# Altium PCB Bran_Main_Assay_PCB_v2.PcbDoc (part 8 of 15)
Units mil, origin at the board's own origin, x right, y up, seen from the top; angles counter-clockwise.
Board outline 3608.46 x 1899.79 mil, 6 copper layers (TOP, GND1, Singal, POWER, GND2, BOTTOM), stack 31.508 mil thick; 363 components, 288 nets, 1386 pads, 975 vias.
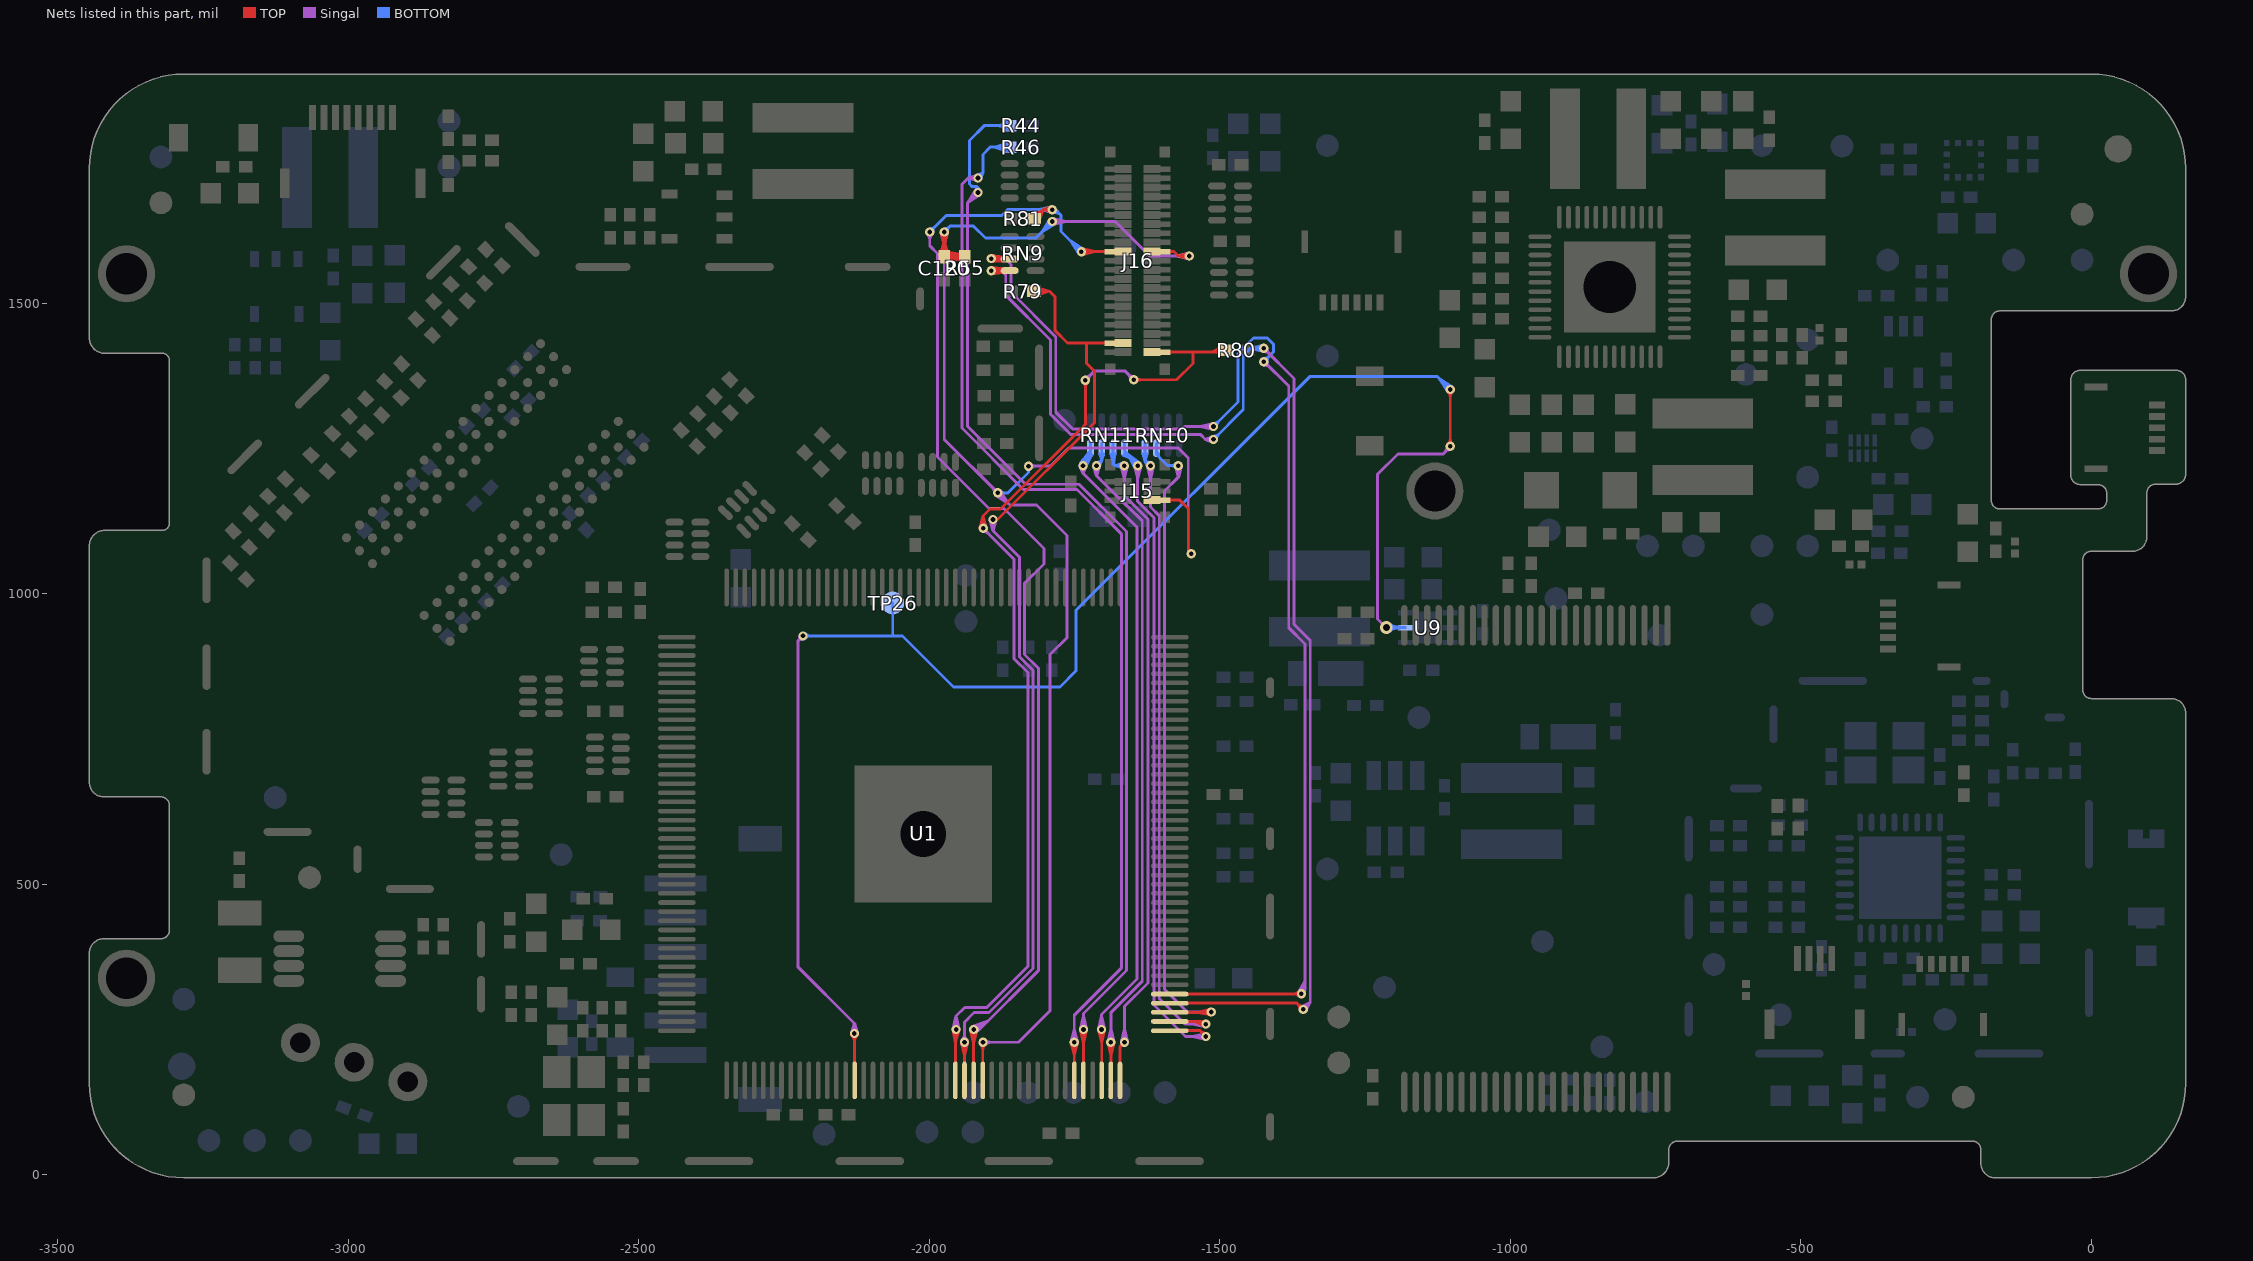
[diagram p12: the nets of this part, all layers, seen from the top]

## Via types
v1: diameter 16, hole 8, TOP to BOTTOM, tented both sides, 431 vias
v2: diameter 18, hole 10, TOP to BOTTOM, tented both sides, 257 vias
v3: diameter 22, hole 12, TOP to BOTTOM, tented both sides, 194 vias
v4: diameter 30, hole 18, TOP to BOTTOM, tented both sides, 69 vias
v5: diameter 24, hole 13, TOP to BOTTOM, tented both sides, 11 vias
v6: diameter 19.68, hole 7.87, TOP to BOTTOM, 9 vias
v7: diameter 22, hole 2, TOP to BOTTOM, tented both sides, 2 vias
v8: diameter 17.99, hole 10, TOP to BOTTOM, tented both sides, 1 vias
v9: diameter 20, hole 10, TOP to BOTTOM, tented both sides, 1 vias

## Nets (pads, with @x,y where several pads share a name; then routed paths per layer and width w, separated by ;. In a path a pad name is that pad's centre, name@x,y a point inside that pad or via, vN(x,y) a via of type N, cw(c..) or ccw(c..) an arc to the next point about the centre after c; other vN are vias at no path point) (continued)
LCD-D14: RN9.3 U1.137 | length 3307.7
  TOP w5: v1@-1893.91,1571.75 RN9.3@-1871.49,1572.67 ; v1@-1893.46,1578 -1893.08,1577.62 v1@-1891.62,1576.16 ; v1@-1893.38,1582.73 RN9.3@-1871.49,1579.65 ; v1@-1892.55,1571.81 -1885.27,1575.83 ; v1@-1892.38,1571.84 -1881.98,1576.74 ; v1@-1892.19,1571.89 RN9.3@-1871.49,1579.65 ; v1@-1891.92,1582.51 -1881.98,1576.74 ; v1@-1891.69,1582.44 RN9.3@-1871.49,1572.67 ; v1@-1890.8,1582.04 -1885.27,1575.83 ; v1@-1889.58,1573.35 cw(c-1882.78,1566.55) -1882.78,1576.16 ; v1@-1889.58,1581.12 ccw(c-1877.59,1593.11) -1877.59,1576.16 ; RN9.3@-1873.67,1573.69 ccw(c-1879.64,1567.71) -1879.64,1576.16 ccw(c-1879.64,1584.61) RN9.3@-1873.67,1578.63 ; RN9.3@-1872.32,1572.85 -1877.46,1576.45 ; RN9.3@-1872.32,1579.47 -1877.46,1575.87 ; RN9.3@-1872.02,1572.76 -1877.46,1575.87 ; RN9.3@-1872.02,1579.56 -1877.46,1576.45 ; RN9.3@-1861.69,1576.16 v1@-1891.62,1576.16 ; U1.137@-1586.22,311.33 -1360.14,311.33 v1(-1359.65,311.83) ; U1.137@-1557.67,311.33 -1538.74,311.33 ; -1374.12,311.33 ccw(c-1374.12,326.3) v1@-1363.53,315.72 ; -1371.73,311.33 cw(c-1371.73,299.74) v1@-1363.53,307.94 ; v1@-1361.81,316.88 -1368.73,310.94 ; v1@-1361.08,306.52 -1370.24,311.84 ; v1@-1361.07,317.14 -1370.24,311.84 ; v1@-1360.78,306.45 -1368.73,310.94 ; v1(-1893.46,1577.24) RN9.3@-1871.19,1576.16 ; v1(-1893.46,1577.24) RN9.3@-1871.49,1579.65 ; v1(-1893.46,1577.24) RN9.3@-1871.49,1572.67 ; v1(-1893.46,1577.24) RN9.3@-1870.41,1576.16 ; v1(-1893.46,1577.24) -1881.98,1576.74 ; v1(-1893.46,1577.24) -1885.27,1575.83 ; v1@-1891.62,1576.16 RN9.3@-1871.19,1576.16 ; v1@-1891.62,1576.16 RN9.3@-1871.49,1579.65 ; v1@-1891.62,1576.16 RN9.3@-1871.49,1572.67 ; -1877.46,1575.87 RN9.3@-1871.19,1576.16 ; -1877.46,1576.45 RN9.3@-1871.19,1576.16 ; RN9.3@-1871.19,1576.16 -1893.05,1571.75 RN9.3@-1870.41,1576.16 ; RN9.3@-1871.19,1576.16 -1892.52,1582.65 RN9.3@-1870.41,1576.16 ; -1370.24,311.84 v1(-1359.65,311.83) ; -1368.73,310.94 v1(-1359.65,311.83)
  Singal w5: v1@-1893.46,1578 -1870.46,1578 ; v1@-1892.99,1582.71 -1870.46,1578 ; v1@-1892.63,1571.8 -1870.46,1578 ; v1@-1892.42,1582.64 -1884.79,1578.36 ; v1@-1892.2,1582.59 -1882.45,1577.46 ; v1@-1891.98,1571.94 -1882.45,1577.46 ; v1@-1891.08,1572.28 -1884.79,1578.36 ; v1@-1889.58,1573.35 cw(c-1878.34,1562.11) -1878.34,1578 ; v1@-1889.58,1581.12 ccw(c-1882.03,1588.67) -1882.03,1578 ; v1@-1514.83,1284.3 ccw(c-1524.22,1274.91) -1524.22,1288.19 ccw(c-1524.22,1301.47) v1@-1514.83,1292.08 ; v1@-1512.72,1282.99 -1520.79,1288.64 ; v1@-1512.72,1293.4 -1520.79,1287.74 ; v1@-1512.24,1282.85 -1520.79,1287.74 ; v1@-1512.24,1293.54 -1520.79,1288.64 ; v1@-1511.6,1282.73 -1533.94,1288.19 ; v1@-1511.6,1293.65 -1533.94,1288.19 ; v1@-1424.45,1394.24 cw(c-1424.45,1378.55) -1413.35,1389.64 ; v1@-1423.45,1399.74 -1381.45,1357.74 -1381.45,941.91 -1353.45,913.91 -1353.45,318.02 v1(-1359.65,311.83) ; v1@-1418.95,1399.74 ccw(c-1408.08,1399.74) -1415.77,1392.06 ; v1@-1364.73,313.93 -1354.62,331.15 ; v1@-1363.78,315.45 -1354.21,322.21 ; v1@-1363.53,315.72 ccw(c-1387.88,340.07) -1353.45,340.07 ; v1@-1360,312.18 ccw(c-1375.81,327.99) -1353.45,327.99 ; v1@-1354.31,310.49 -1354.21,322.21 ; v1@-1354.18,311.19 -1354.62,331.15 ; v1(-1893.46,1577.24) -1870.46,1578 ; v1(-1893.46,1577.24) -1882.45,1577.46 ; v1(-1893.46,1577.24) -1884.79,1578.36 ; -1870.46,1578 -1859.46,1567 -1859.46,1519.48 -1782.46,1442.48 -1782.46,1312.84 -1753.36,1283.74 -1564.94,1283.74 -1560.49,1288.19 v1(-1510.94,1288.19) ; -1533.94,1288.19 v1(-1510.94,1288.19) ; -1520.79,1287.74 v1(-1510.94,1288.19) ; -1520.79,1288.64 v1(-1510.94,1288.19) ; v1(-1359.65,311.83) -1354.21,322.21 ; v1(-1359.65,311.83) -1354.62,331.15
  BOTTOM w5: v1(-1510.94,1288.19) -1468.67,1330.46 -1468.67,1414.01 -1441.94,1440.74 -1418.36,1440.74 -1407.45,1429.83 -1407.45,1416.74 v1(-1424.45,1399.74) ; v1@-1510.94,1293.69 ccw(c-1510.94,1306.97) -1501.56,1297.58 ccw(c-1492.17,1288.19) v1@-1505.44,1288.19 ; v1@-1424.45,1405.24 ccw(c-1424.45,1418.52) -1415.06,1409.13 ccw(c-1405.67,1399.74) v1@-1418.95,1399.74
LCD-D15: RN9.4 U1.136 | length 3248
  TOP w5: v1@-1893.65,1550.97 RN9.4@-1871.49,1552.98 ; v1@-1893.65,1561.97 RN9.4@-1871.49,1559.96 ; v1@-1892.99,1556.47 RN9.4@-1861.69,1556.47 ; v1@-1892.17,1551.12 -1883.62,1556.02 ; v1@-1892.17,1561.82 -1883.62,1556.92 ; v1@-1891.94,1551.19 RN9.4@-1871.49,1559.96 ; v1@-1891.94,1561.75 RN9.4@-1871.49,1552.98 ; v1@-1891.69,1551.26 -1883.62,1556.92 ; v1@-1891.69,1561.68 -1883.62,1556.02 ; v1@-1889.58,1552.58 cw(c-1880.19,1543.19) -1880.19,1556.47 cw(c-1880.19,1569.75) v1@-1889.58,1560.36 ; RN9.4@-1873.67,1554 ccw(c-1879.64,1548.02) -1879.64,1556.47 ccw(c-1879.64,1564.92) RN9.4@-1873.67,1558.94 ; RN9.4@-1872.32,1553.16 -1877.46,1556.76 ; RN9.4@-1872.32,1559.78 -1877.46,1556.18 ; RN9.4@-1872.02,1553.07 -1877.46,1556.18 ; RN9.4@-1872.02,1559.87 -1877.46,1556.76 ; U1.136@-1586.22,295.58 -1367.4,295.58 v1(-1356.65,284.83) ; U1.136@-1557.67,295.58 -1538.74,295.58 ; v1@-1362.15,284.83 ccw(c-1375.42,284.83) -1366.03,294.22 ccw(c-1356.65,303.61) v1@-1356.65,290.33 ; v1(-1893.46,1556.47) RN9.4@-1871.19,1556.47 ; v1(-1893.46,1556.47) RN9.4@-1871.49,1559.96 ; v1(-1893.46,1556.47) RN9.4@-1871.49,1552.98 ; v1(-1893.46,1556.47) RN9.4@-1870.46,1556.47 ; v1(-1893.46,1556.47) -1883.62,1556.92 ; v1(-1893.46,1556.47) -1883.62,1556.02 ; v1@-1892.19,1556.47 RN9.4@-1871.19,1556.47 ; v1@-1892.19,1556.47 RN9.4@-1871.49,1559.96 ; v1@-1892.19,1556.47 RN9.4@-1871.49,1552.98 ; -1877.46,1556.18 RN9.4@-1871.19,1556.47 ; -1877.46,1556.76 RN9.4@-1871.19,1556.47 ; RN9.4@-1871.19,1556.47 -1892.79,1551.01 RN9.4@-1870.46,1556.47 ; RN9.4@-1871.19,1556.47 -1892.79,1561.93 RN9.4@-1870.46,1556.47
  Singal w5: v1@-1892.99,1556.47 -1875.93,1556.47 ; v1@-1892.6,1551.04 -1875.93,1556.47 ; v1@-1892.6,1561.9 -1875.93,1556.47 ; v1@-1892.17,1551.12 -1883.62,1556.02 ; v1@-1892.17,1561.82 -1883.62,1556.92 ; v1@-1891.69,1551.26 -1883.62,1556.92 ; v1@-1891.69,1561.68 -1883.62,1556.02 ; v1@-1889.58,1552.58 cw(c-1880.19,1543.19) -1880.19,1556.47 cw(c-1880.19,1569.75) v1@-1889.58,1560.36 ; v1@-1514.83,1262.1 ccw(c-1524.22,1252.71) -1524.22,1265.99 ccw(c-1524.22,1279.27) v1@-1514.83,1269.88 ; v1@-1512.72,1260.79 -1520.79,1266.44 ; v1@-1512.72,1271.2 -1520.79,1265.54 ; v1@-1512.24,1260.65 -1520.79,1265.54 ; v1@-1512.24,1271.34 -1520.79,1266.44 ; v1@-1512.03,1260.6 -1524.94,1265.99 ; v1@-1512.03,1271.38 -1524.94,1265.99 ; v1@-1424.45,1417.24 cw(c-1424.45,1403.96) -1415.06,1413.35 cw(c-1405.67,1422.74) v1@-1418.95,1422.74 ; v1(-1424.45,1422.74) -1372.45,1370.74 -1372.45,947.98 -1344.45,919.98 -1344.45,297.02 ; v1@-1359.87,289.29 -1344.45,297.02 ; v1(-1356.65,284.83) -1344.45,297.02 ; v1@-1356.65,290.33 ccw(c-1356.65,303.61) -1347.26,294.22 ccw(c-1337.87,284.83) v1@-1351.15,284.83 ; v1@-1352.19,281.61 -1344.45,297.02 ; v1(-1893.46,1556.47) -1883.62,1556.92 ; v1(-1893.46,1556.47) -1883.62,1556.02 ; v1(-1893.46,1556.47) -1875.93,1556.47 ; -1875.93,1556.47 -1868.46,1549 -1868.46,1514 -1791.46,1437 -1791.46,1309.12 -1757.09,1274.74 -1533.69,1274.74 -1524.94,1265.99 ; -1524.94,1265.99 v1(-1510.94,1265.99) ; -1524.94,1265.99 v1(-1510.94,1265.99) ; -1520.79,1265.54 v1(-1510.94,1265.99) ; -1520.79,1266.44 v1(-1510.94,1265.99)
  BOTTOM w5: v1(-1510.94,1265.99) -1459.67,1317.26 -1459.67,1410.28 -1447.22,1422.74 ; v1@-1510.94,1271.49 ccw(c-1510.94,1284.77) -1501.56,1275.38 ccw(c-1492.17,1265.99) v1@-1505.44,1265.99 ; v1@-1428.34,1418.85 ccw(c-1437.73,1409.46) -1437.73,1422.74 ccw(c-1437.73,1436.02) v1@-1428.34,1426.63 ; v1@-1426.22,1417.53 -1434.29,1423.19 ; v1@-1426.22,1427.95 -1434.29,1422.29 ; v1@-1425.74,1417.39 -1434.29,1422.29 ; v1@-1425.74,1428.09 -1434.29,1423.19 ; v1@-1425.11,1417.28 -1447.22,1422.74 ; v1@-1425.11,1428.2 -1447.22,1422.74 ; -1447.22,1422.74 v1(-1424.45,1422.74) ; -1447.22,1422.74 v1(-1424.45,1422.74) ; -1434.29,1422.29 v1(-1424.45,1422.74) ; -1434.29,1423.19 v1(-1424.45,1422.74)
LCD-D18: RN10.3 U1.135 | length 1562.4
  TOP w5: U1.135@-1586.22,279.83 -1515.64,279.83 v1(-1515.02,280.46) ; U1.135@-1557.67,279.83 -1538.74,279.83 ; -1529.8,279.83 ccw(c-1529.8,295.24) v1@-1518.9,284.35 ; -1526.79,279.83 cw(c-1526.79,268.69) v1@-1518.9,276.57 ; v1@-1517.28,285.47 -1523.9,279.45 ; v1@-1516.47,285.76 -1525.81,280.36 ; v1@-1516.37,275.13 -1525.81,280.36 ; v1@-1516.11,275.07 -1523.9,279.45 ; v1@-1515.82,285.9 -1538.04,279.83 ; v1@-1515.52,274.98 -1538.04,279.83 ; -1538.04,279.83 v1(-1515.02,280.46) ; -1525.81,280.36 v1(-1515.02,280.46) ; -1523.9,279.45 v1(-1515.02,280.46)
  Singal w5: v1@-1576.9,1220.07 -1571.45,1200.83 ; v1@-1576.8,1219.54 -1571.9,1210.99 ; v1@-1576.65,1219.05 -1571,1210.99 ; v1@-1575.34,1216.94 cw(c-1584.73,1207.55) -1571.45,1207.55 cw(c-1558.17,1207.55) v1@-1567.56,1216.94 ; v1@-1566.24,1219.05 -1571.9,1210.99 ; v1@-1566.1,1219.54 -1571,1210.99 ; v1@-1566,1220.07 -1571.45,1200.83 ; v1@-1518.9,276.57 ccw(c-1528.29,267.18) -1528.29,280.46 ccw(c-1528.29,293.73) v1@-1518.9,284.35 ; v1@-1516.79,285.66 -1524.86,280 ; v1@-1516.31,275.11 -1524.86,280 ; -1571.9,1210.99 v1(-1571.45,1220.83) ; -1571.45,1200.83 v1(-1571.45,1220.83) ; -1571.45,1200.83 v1(-1571.45,1220.83) ; -1571.45,1200.83 -1595.3,1176.98 -1595.3,319.59 -1556.17,280.46 v1(-1515.02,280.46) -1524.86,280 ; v1(-1571.45,1220.83) -1571,1210.99
  BOTTOM w5: RN10.3@-1609.29,1258.83 RN10.3@-1609.29,1250.96 -1609.29,1239.83 -1590.29,1220.83 v1(-1571.45,1220.83) -1581.29,1220.37 ; RN10.3@-1605.79,1241.46 ccw(c-1593.4,1241.46) -1602.16,1232.7 ; v1@-1575.34,1216.94 ccw(c-1584.73,1207.55) -1584.73,1220.83 ccw(c-1584.73,1234.11) v1@-1575.34,1224.72 ; v1@-1573.22,1226.03 -1581.29,1220.37 ; v1@-1572.74,1215.48 -1581.29,1220.37
LCD-D19: RN10.4 U1.134 | length 1676.3
  TOP w5: U1.134@-1586.22,264.09 -1528.54,264.09 v1(-1524.02,259.57) -1540.78,263.11 ; U1.134@-1557.67,264.09 -1538.74,264.09 ; -1548.22,264.09 cw(c-1548.22,235.36) v1@-1527.9,255.68 ; -1536.15,264.09 cw(c-1536.15,247.44) v1@-1524.37,259.21 ; v1@-1526,254.44 -1540.78,263.11 ; v1@-1523.76,265.06 -1540.78,263.11
  Singal w5: v1@-1624.91,1220.08 -1619.45,1197.74 ; v1@-1624.8,1219.45 -1619.9,1210.9 ; v1@-1624.65,1218.96 -1619,1210.9 ; v1@-1623.34,1216.85 cw(c-1632.73,1207.46) -1619.45,1207.46 cw(c-1606.17,1207.46) v1@-1615.56,1216.85 ; v1@-1614.24,1218.96 -1619.9,1210.9 ; v1@-1614.1,1219.45 -1619,1210.9 ; v1@-1613.99,1220.08 -1619.45,1197.74 ; v1@-1527.9,255.68 ccw(c-1537.29,246.29) -1537.29,259.57 ccw(c-1537.29,272.85) v1@-1527.9,263.46 ; v1@-1525.79,254.36 -1533.86,260.02 ; v1@-1525.79,264.77 -1533.86,259.11 ; v1@-1525.31,254.22 -1533.86,259.11 ; v1@-1525.31,264.91 -1533.86,260.02 ; v1@-1524.67,254.11 -1547.02,259.57 ; v1@-1524.67,265.03 -1547.02,259.57 ; -1619.9,1210.9 v1(-1619.45,1220.74) ; -1619.45,1197.74 v1(-1619.45,1220.74) ; v1(-1619.45,1220.74) -1619,1210.9 ; v1(-1619.45,1220.74) -1619.45,1149.85 -1604.3,1134.7 -1604.3,303.59 -1560.28,259.57 v1(-1524.02,259.57) ; -1547.02,259.57 v1(-1524.02,259.57) ; -1533.86,259.11 v1(-1524.02,259.57) ; -1533.86,260.02 v1(-1524.02,259.57)
  BOTTOM w5: RN10.4@-1632.44,1240.97 -1628.98,1228.96 ; RN10.4@-1632.38,1240.64 -1629.27,1235.2 ; RN10.4@-1632.29,1240.33 -1628.69,1235.2 ; RN10.4@-1631.45,1238.98 cw(c-1637.43,1233.01) -1628.98,1233.01 cw(c-1620.53,1233.01) RN10.4@-1626.5,1238.98 ; RN10.4@-1628.98,1258.83 RN10.4@-1628.98,1250.96 -1628.98,1228.96 ; -1627.91,1227.9 cw(c-1635.08,1220.74) v1@-1624.95,1220.74 ; RN10.4@-1625.67,1240.33 -1629.27,1235.2 ; RN10.4@-1625.58,1240.64 -1628.69,1235.2 ; RN10.4@-1625.51,1240.97 -1628.98,1228.96 ; v1@-1623.87,1217.46 -1628.98,1228.96 ; v1@-1620.33,1226.17 cw(c-1621.92,1236.02) -1628.98,1228.96 ; v1@-1616.85,1225.59 -1628.98,1228.96 ; -1629.27,1235.2 RN10.4@-1628.98,1241.46 ; -1628.98,1228.96 v1(-1619.45,1220.74) -1620.75,1220.74 -1628.98,1228.96 ; -1628.98,1228.96 RN10.4@-1628.98,1241.46 ; RN10.4@-1628.98,1241.46 -1628.69,1235.2
LCD-D20: RN11.1 U1.133 | length 1748
  TOP w5: U1.133@-1586.22,248.34 -1534.05,248.34 v1(-1524.02,238.31) ; U1.133@-1557.67,248.34 -1538.74,248.34 ; v1@-1529.52,238.31 ccw(c-1542.79,238.31) -1533.4,247.7 ccw(c-1524.02,257.09) v1@-1524.02,243.81
  Singal w5: v1@-1646.91,1220.08 -1641.45,1197.74 ; v1@-1646.8,1219.45 -1641.9,1210.9 ; v1@-1646.65,1218.96 -1641,1210.9 ; v1@-1645.34,1216.85 cw(c-1654.73,1207.46) -1641.45,1207.46 cw(c-1628.17,1207.46) v1@-1637.56,1216.85 ; v1@-1636.24,1218.96 -1641.9,1210.9 ; v1@-1636.1,1219.45 -1641,1210.9 ; v1@-1635.99,1220.08 -1641.45,1197.74 ; v1@-1527.9,234.42 ccw(c-1537.29,225.03) -1537.29,238.31 ccw(c-1537.29,251.59) v1@-1527.9,242.2 ; v1@-1525.79,233.1 -1533.86,238.76 ; v1@-1525.79,243.51 -1533.86,237.85 ; v1@-1525.31,232.96 -1533.86,237.85 ; v1@-1525.31,243.65 -1533.86,238.76 ; v1@-1524.67,232.85 -1547.02,238.31 ; v1@-1524.67,243.77 -1547.02,238.31 ; -1641.9,1210.9 v1(-1641.45,1220.74) ; -1641.45,1197.74 v1(-1641.45,1220.74) ; v1(-1641.45,1220.74) -1641,1210.9 ; v1(-1641.45,1220.74) -1641.45,1159.13 -1613.3,1130.98 -1613.3,292.59 -1559.02,238.31 v1(-1524.02,238.31) ; -1547.02,238.31 v1(-1524.02,238.31) ; -1533.86,237.85 v1(-1524.02,238.31) ; -1533.86,238.76 v1(-1524.02,238.31)
  BOTTOM w5: RN11.1@-1665.61,1238.39 -1648.68,1231.05 ; RN11.1@-1665.29,1238.24 -1653.85,1235.26 ; RN11.1@-1663.92,1237.96 cw(c-1663.92,1217.83) -1649.69,1232.06 ; RN11.1@-1663.92,1258.83 RN11.1@-1663.92,1250.96 -1663.92,1246.3 -1642.45,1224.83 -1642.45,1221.74 v1(-1641.45,1220.74) ; RN11.1@-1661.68,1244.15 -1648.68,1231.05 ; RN11.1@-1661.66,1244.13 -1653.85,1235.26 ; -1653.02,1235.4 cw(c-1667.68,1220.74) v1@-1646.95,1220.74 ; v1@-1646.36,1218.27 -1649.73,1231.11 ; v1@-1646.01,1217.66 RN11.1@-1658.14,1240.52 ; -1645.57,1227.95 ccw(c-1641.45,1232.07) v1@-1641.45,1226.24 ; v1@-1637.96,1224.99 -1649.73,1231.11 ; v1@-1637.65,1224.71 RN11.1@-1658.14,1240.52 ; RN11.1@-1658.14,1240.52 v1(-1641.45,1220.74) ; -1653.85,1235.26 -1663.92,1241.46 -1648.68,1231.05 ; -1649.73,1231.11 v1(-1641.45,1220.74)
LCD-D21: RN11.2 U1.132 | length 1690.7
  TOP w5: U1.132@-1671.85,162.71 -1671.85,220.47 ; U1.132@-1671.85,191.26 -1671.85,210.19 ; v1@-1669.46,227.56 cw(c-1677.79,226.42) -1671.85,220.47 ; v1@-1664.76,222.86 ccw(c-1665.91,214.53) -1671.85,220.47 ; v1(-1664.02,228.31) -1671.85,220.47
  Singal w5: v1@-1669.91,1220.08 -1664.45,1197.74 ; v1@-1669.8,1219.45 -1664.9,1210.9 ; v1@-1669.65,1218.96 -1664,1210.9 ; v1@-1669.48,228.96 -1664.02,251.31 v1@-1658.56,228.96 ; v1@-1669.36,229.6 -1664.47,238.15 ; v1@-1669.22,230.08 -1663.56,238.15 ; v1@-1668.34,1216.85 cw(c-1677.73,1207.46) -1664.45,1207.46 cw(c-1651.17,1207.46) v1@-1660.56,1216.85 ; v1@-1667.9,232.2 ccw(c-1677.29,241.59) -1664.02,241.59 ccw(c-1650.74,241.59) v1@-1660.13,232.2 ; v1@-1659.24,1218.96 -1664.9,1210.9 ; v1@-1659.1,1219.45 -1664,1210.9 ; v1@-1658.99,1220.08 -1664.45,1197.74 ; v1@-1658.81,230.08 -1664.47,238.15 ; v1@-1658.67,229.6 -1663.56,238.15 ; -1664.9,1210.9 v1(-1664.45,1220.74) ; -1664.47,238.15 v1(-1664.02,228.31) ; -1664.45,1197.74 v1(-1664.45,1220.74) ; v1(-1664.45,1220.74) -1664,1210.9 ; v1(-1664.45,1220.74) -1664.45,1169.4 -1623.61,1128.56 -1623.61,330.53 -1664.02,290.12 v1(-1664.02,228.31) ; v1(-1664.02,228.31) -1663.56,238.15
  BOTTOM w5: RN11.2@-1687.09,1241.11 -1683.61,1223.99 ; RN11.2@-1687.01,1240.64 -1683.9,1235.2 ; RN11.2@-1686.92,1240.33 -1683.32,1235.2 ; RN11.2@-1686.08,1238.98 cw(c-1692.06,1233.01) -1683.61,1233.01 cw(c-1675.16,1233.01) RN11.2@-1681.13,1238.98 ; RN11.2@-1683.61,1258.83 RN11.2@-1683.61,1250.96 -1683.61,1223.99 ; RN11.2@-1680.3,1240.33 -1683.9,1235.2 ; RN11.2@-1680.21,1240.64 -1683.32,1235.2 ; RN11.2@-1680.13,1241.11 -1683.61,1223.99 ; v1@-1668.34,1216.85 ccw(c-1677.73,1207.46) -1677.73,1220.74 ccw(c-1677.73,1234.02) v1@-1668.34,1224.63 ; v1@-1666.22,1215.53 -1674.29,1221.19 ; v1@-1666.22,1225.95 -1674.29,1220.29 ; v1@-1665.74,1215.39 -1674.29,1220.29 ; v1@-1665.74,1226.09 -1674.29,1221.19 ; v1@-1665.4,1215.32 -1680.36,1220.74 ; v1@-1665.4,1226.16 -1680.36,1220.74 ; -1683.9,1235.2 RN11.2@-1683.61,1241.46 ; -1683.61,1223.99 RN11.2@-1683.61,1241.46 ; -1683.61,1223.99 -1680.36,1220.74 ; RN11.2@-1683.61,1241.46 -1683.32,1235.2 ; -1680.36,1220.74 v1(-1664.45,1220.74) ; -1680.36,1220.74 v1(-1664.45,1220.74) ; -1674.29,1220.29 v1(-1664.45,1220.74) ; -1674.29,1221.19 v1(-1664.45,1220.74)
LCD-D22: RN11.3 U1.131 | length 1725.8
  TOP w5: v1@-1693.1,227.64 -1687.6,205.31 ; v1@-1692.99,227 -1688.06,218.39 ; v1@-1692.84,226.5 -1687.15,218.54 ; v1@-1691.53,224.42 cw(c-1701.04,214.91) -1687.6,214.91 ; U1.131@-1687.6,162.71 v1@-1687.6,228.26 ; U1.131@-1687.6,191.26 -1687.6,210.19 ; -1687.6,215.14 cw(c-1674.48,215.14) v1@-1683.76,224.42 ; v1@-1682.43,226.57 -1688.06,218.39 ; v1@-1682.3,227.03 -1687.15,218.54 ; v1@-1682.18,227.66 -1687.6,205.31 ; -1688.06,218.39 v1(-1687.65,228.31) ; v1(-1687.65,228.31) -1687.6,205.31 ; v1(-1687.65,228.31) -1687.15,218.54
  Singal w5: v1@-1717.88,1219.95 -1712.45,1203.5 ; v1@-1717.8,1219.54 -1712.9,1210.99 ; v1@-1717.65,1219.05 -1712,1210.99 ; v1@-1716.34,1216.94 cw(c-1725.73,1207.55) -1712.45,1207.55 cw(c-1699.17,1207.55) v1@-1708.56,1216.94 ; v1@-1707.24,1219.05 -1712.9,1210.99 ; v1@-1707.1,1219.54 -1712,1210.99 ; v1@-1707.02,1219.95 -1712.45,1203.5 ; v1@-1693.11,228.96 -1687.65,251.31 v1@-1682.19,228.96 ; v1@-1692.99,229.6 -1688.1,238.15 ; v1@-1692.85,230.08 -1687.19,238.15 ; v1@-1691.53,232.2 ccw(c-1700.92,241.59) -1687.65,241.59 ccw(c-1674.37,241.59) v1@-1683.76,232.2 ; v1@-1682.44,230.08 -1688.1,238.15 ; v1@-1682.3,229.6 -1687.19,238.15 ; -1712.9,1210.99 v1(-1712.45,1220.83) ; -1712.45,1203.5 v1(-1712.45,1220.83) ; -1712.45,1203.5 -1683.14,1174.2 -1633.65,1125.83 -1633.65,333.22 -1687.65,279.22 v1(-1687.65,228.31) ; -1712.45,1203.5 v1(-1712.45,1220.83) ; v1(-1712.45,1220.83) -1712,1210.99 ; -1688.1,238.15 v1(-1687.65,228.31) ; v1(-1687.65,228.31) -1687.19,238.15
  BOTTOM w5: v1@-1715.09,1225.65 -1703.29,1228.96 ; v1@-1711.59,1226.26 ccw(c-1710.1,1235.77) -1703.29,1228.96 ; v1@-1707.97,1217.64 -1703.29,1228.96 ; v1@-1706.95,1220.83 cw(c-1696.14,1220.83) -1703.78,1228.47 ; RN11.3@-1706.75,1240.97 -1703.29,1228.96 ; RN11.3@-1706.69,1240.64 -1703.58,1235.2 ; RN11.3@-1706.6,1240.33 -1703,1235.2 ; RN11.3@-1705.76,1238.98 cw(c-1711.74,1233.01) -1703.29,1233.01 cw(c-1694.84,1233.01) RN11.3@-1700.81,1238.98 ; RN11.3@-1703.29,1258.83 RN11.3@-1703.29,1250.96 -1703.29,1228.96 ; RN11.3@-1699.98,1240.33 -1703.58,1235.2 ; RN11.3@-1699.89,1240.64 -1703,1235.2 ; RN11.3@-1699.82,1240.97 -1703.29,1228.96 ; -1703.58,1235.2 RN11.3@-1703.29,1241.46 ; -1703.29,1228.96 -1711.94,1220.32 -1712.45,1219.8 v1(-1712.45,1220.83) -1703.29,1228.96 ; -1703.29,1228.96 RN11.3@-1703.29,1241.46 ; RN11.3@-1703.29,1241.46 -1703,1235.2
LCD-D23: RN11.4 U1.130 | length 2268.7
  TOP w5: v1@-1709.1,249.58 -1703.34,227.3 ; v1@-1708.97,248.93 -1703.83,240 ; v1@-1708.77,248.3 -1702.92,240.94 ; v1@-1707.53,246.42 cw(c-1717.67,236.29) -1703.34,236.29 ; U1.130@-1703.34,162.71 v1@-1703.34,250 ; U1.130@-1703.34,191.26 -1703.34,210.19 ; -1703.34,237.77 cw(c-1691.11,237.77) v1@-1699.76,246.42 ; v1@-1698.37,248.75 -1703.83,240 ; v1@-1698.28,249.11 -1702.92,240.94 ; v1@-1698.18,249.72 -1703.34,227.3 ; -1703.83,240 v1(-1703.65,250.31) ; v1(-1703.65,250.31) -1703.34,227.3 ; v1(-1703.65,250.31) -1702.92,240.94
  Singal w5: v1@-1740.83,1219.59 -1735.45,1207.63 ; v1@-1740.79,1219.43 -1735.92,1211.08 ; v1@-1740.64,1218.92 -1734.98,1211.08 ; v1@-1739.3,1216.82 cw(c-1748.32,1207.63) -1735.45,1207.63 ; v1@-1731.6,1216.82 ccw(c-1722.58,1207.63) -1735.45,1207.63 ; v1@-1730.26,1218.92 -1735.92,1211.08 ; v1@-1730.11,1219.43 -1734.98,1211.08 ; v1@-1730.07,1219.59 -1735.45,1207.63 ; v1@-1709.11,250.96 -1703.65,273.31 v1@-1698.19,250.96 ; v1@-1708.99,251.6 -1704.1,260.15 ; v1@-1708.85,252.08 -1703.19,260.15 ; v1@-1707.53,254.2 ccw(c-1716.92,263.59) -1703.65,263.59 ccw(c-1690.37,263.59) v1@-1699.76,254.2 ; v1@-1698.44,252.08 -1704.1,260.15 ; v1@-1698.3,251.6 -1703.19,260.15 ; -1735.92,1211.08 v1(-1735.45,1220.74) ; -1735.45,1207.63 v1(-1735.45,1220.74) ; -1735.45,1207.63 v1(-1735.45,1220.74) ; -1735.45,1207.63 -1642.65,1114.83 -1642.65,336.95 -1703.65,275.95 v1(-1703.65,250.31) ; v1(-1735.45,1220.74) -1734.98,1211.08 ; -1704.1,260.15 v1(-1703.65,250.31) ; v1(-1703.65,250.31) -1703.19,260.15
  BOTTOM w5: v1@-1740.4,1223.13 -1733.99,1230.08 ; v1@-1740.24,1223.45 RN11.4@-1725.52,1243.86 ; v1@-1739.95,1223.9 RN11.4@-1722.98,1243.3 ; v1@-1739.89,1220.03 cw(c-1729.15,1221.74) -1736.84,1229.43 ; v1@-1739.87,1224.01 -1728.67,1234.52 ; v1@-1739.81,1224.09 RN11.4@-1722.98,1241.46 ; v1@-1739.28,1224.69 RN11.4@-1721.01,1238.57 ; v1@-1738.43,1225.36 ccw(c-1741.95,1230.83) -1735.45,1230.83 ; v1@-1734.96,1220.82 cw(c-1717.19,1223.65) -1729.91,1236.36 ; v1@-1732.47,1225.36 cw(c-1728.95,1230.83) -1735.45,1230.83 ; -1732.09,1234.18 cw(c-1722.98,1225.07) RN11.4@-1722.98,1237.96 ; v1@-1730.79,1217.82 RN11.4@-1721.01,1238.57 ; v1@-1730.44,1218.46 RN11.4@-1722.98,1241.46 ; v1@-1730.38,1218.61 RN11.4@-1722.98,1243.3 ; v1@-1730.19,1219.14 RN11.4@-1725.52,1243.86 ; v1@-1730.16,1219.24 -1728.67,1234.52 ; v1@-1730,1221.51 -1733.99,1230.08 ; v1@-1730.02,1221.61 cw(c-1705.24,1225.55) RN11.4@-1722.98,1243.3 ; RN11.4@-1726.13,1242.98 -1729.47,1232.05 ; RN11.4@-1725.71,1243.65 -1729.42,1236.23 ; RN11.4@-1722.98,1258.83 RN11.4@-1722.98,1250.96 RN11.4@-1722.98,1243.3 ; RN11.4@-1721.4,1238.34 -1729.42,1236.23 ; RN11.4@-1720.44,1239.05 -1729.47,1232.05 ; v1@-1740.74,1222.24 -1735.45,1230.83 ; v1@-1740.74,1222.24 -1735.45,1230.83 ; v1@-1740.74,1222.24 -1735.45,1230.83 ; v1@-1740.74,1222.24 -1735.45,1230.83 ; v1@-1740.74,1222.24 -1735.45,1230.83 ; v1(-1735.45,1220.74) -1735.45,1230.83 ; v1(-1735.45,1220.74) RN11.4@-1722.98,1241.46 ; v1(-1735.45,1220.74) -1735.45,1230.83 ; v1(-1735.45,1220.74) RN11.4@-1725.52,1243.86 ; v1(-1735.45,1220.74) -1735.45,1230.83 ; v1(-1735.45,1220.74) RN11.4@-1721.01,1238.57 ; v1(-1735.45,1220.74) -1733.99,1230.08 ; v1(-1735.45,1220.74) -1728.67,1234.52 ; v1(-1735.45,1220.74) -1735.45,1230.83 ; v1(-1735.45,1220.74) RN11.4@-1722.98,1243.3 ; v1(-1735.45,1220.74) -1735.45,1230.83 ; -1735.45,1230.83 v1@-1730.16,1222.24 ; -1735.45,1230.83 v1@-1730.16,1222.24 ; -1735.45,1230.83 v1@-1730.16,1222.24 ; -1735.45,1230.83 v1@-1730.16,1222.24 ; -1735.45,1230.83 v1@-1730.16,1222.24 ; -1735.45,1230.83 RN11.4@-1722.98,1241.46 ; -1735.45,1230.83 RN11.4@-1725.52,1243.86 ; -1735.45,1230.83 RN11.4@-1721.01,1238.57 ; -1735.45,1230.83 RN11.4@-1722.98,1243.3 ; -1729.47,1232.05 RN11.4@-1722.98,1241.46 ; -1729.42,1236.23 RN11.4@-1722.98,1241.46